# KiCad board BGA_Steuerung_4layer.kicad_pcb (continued)
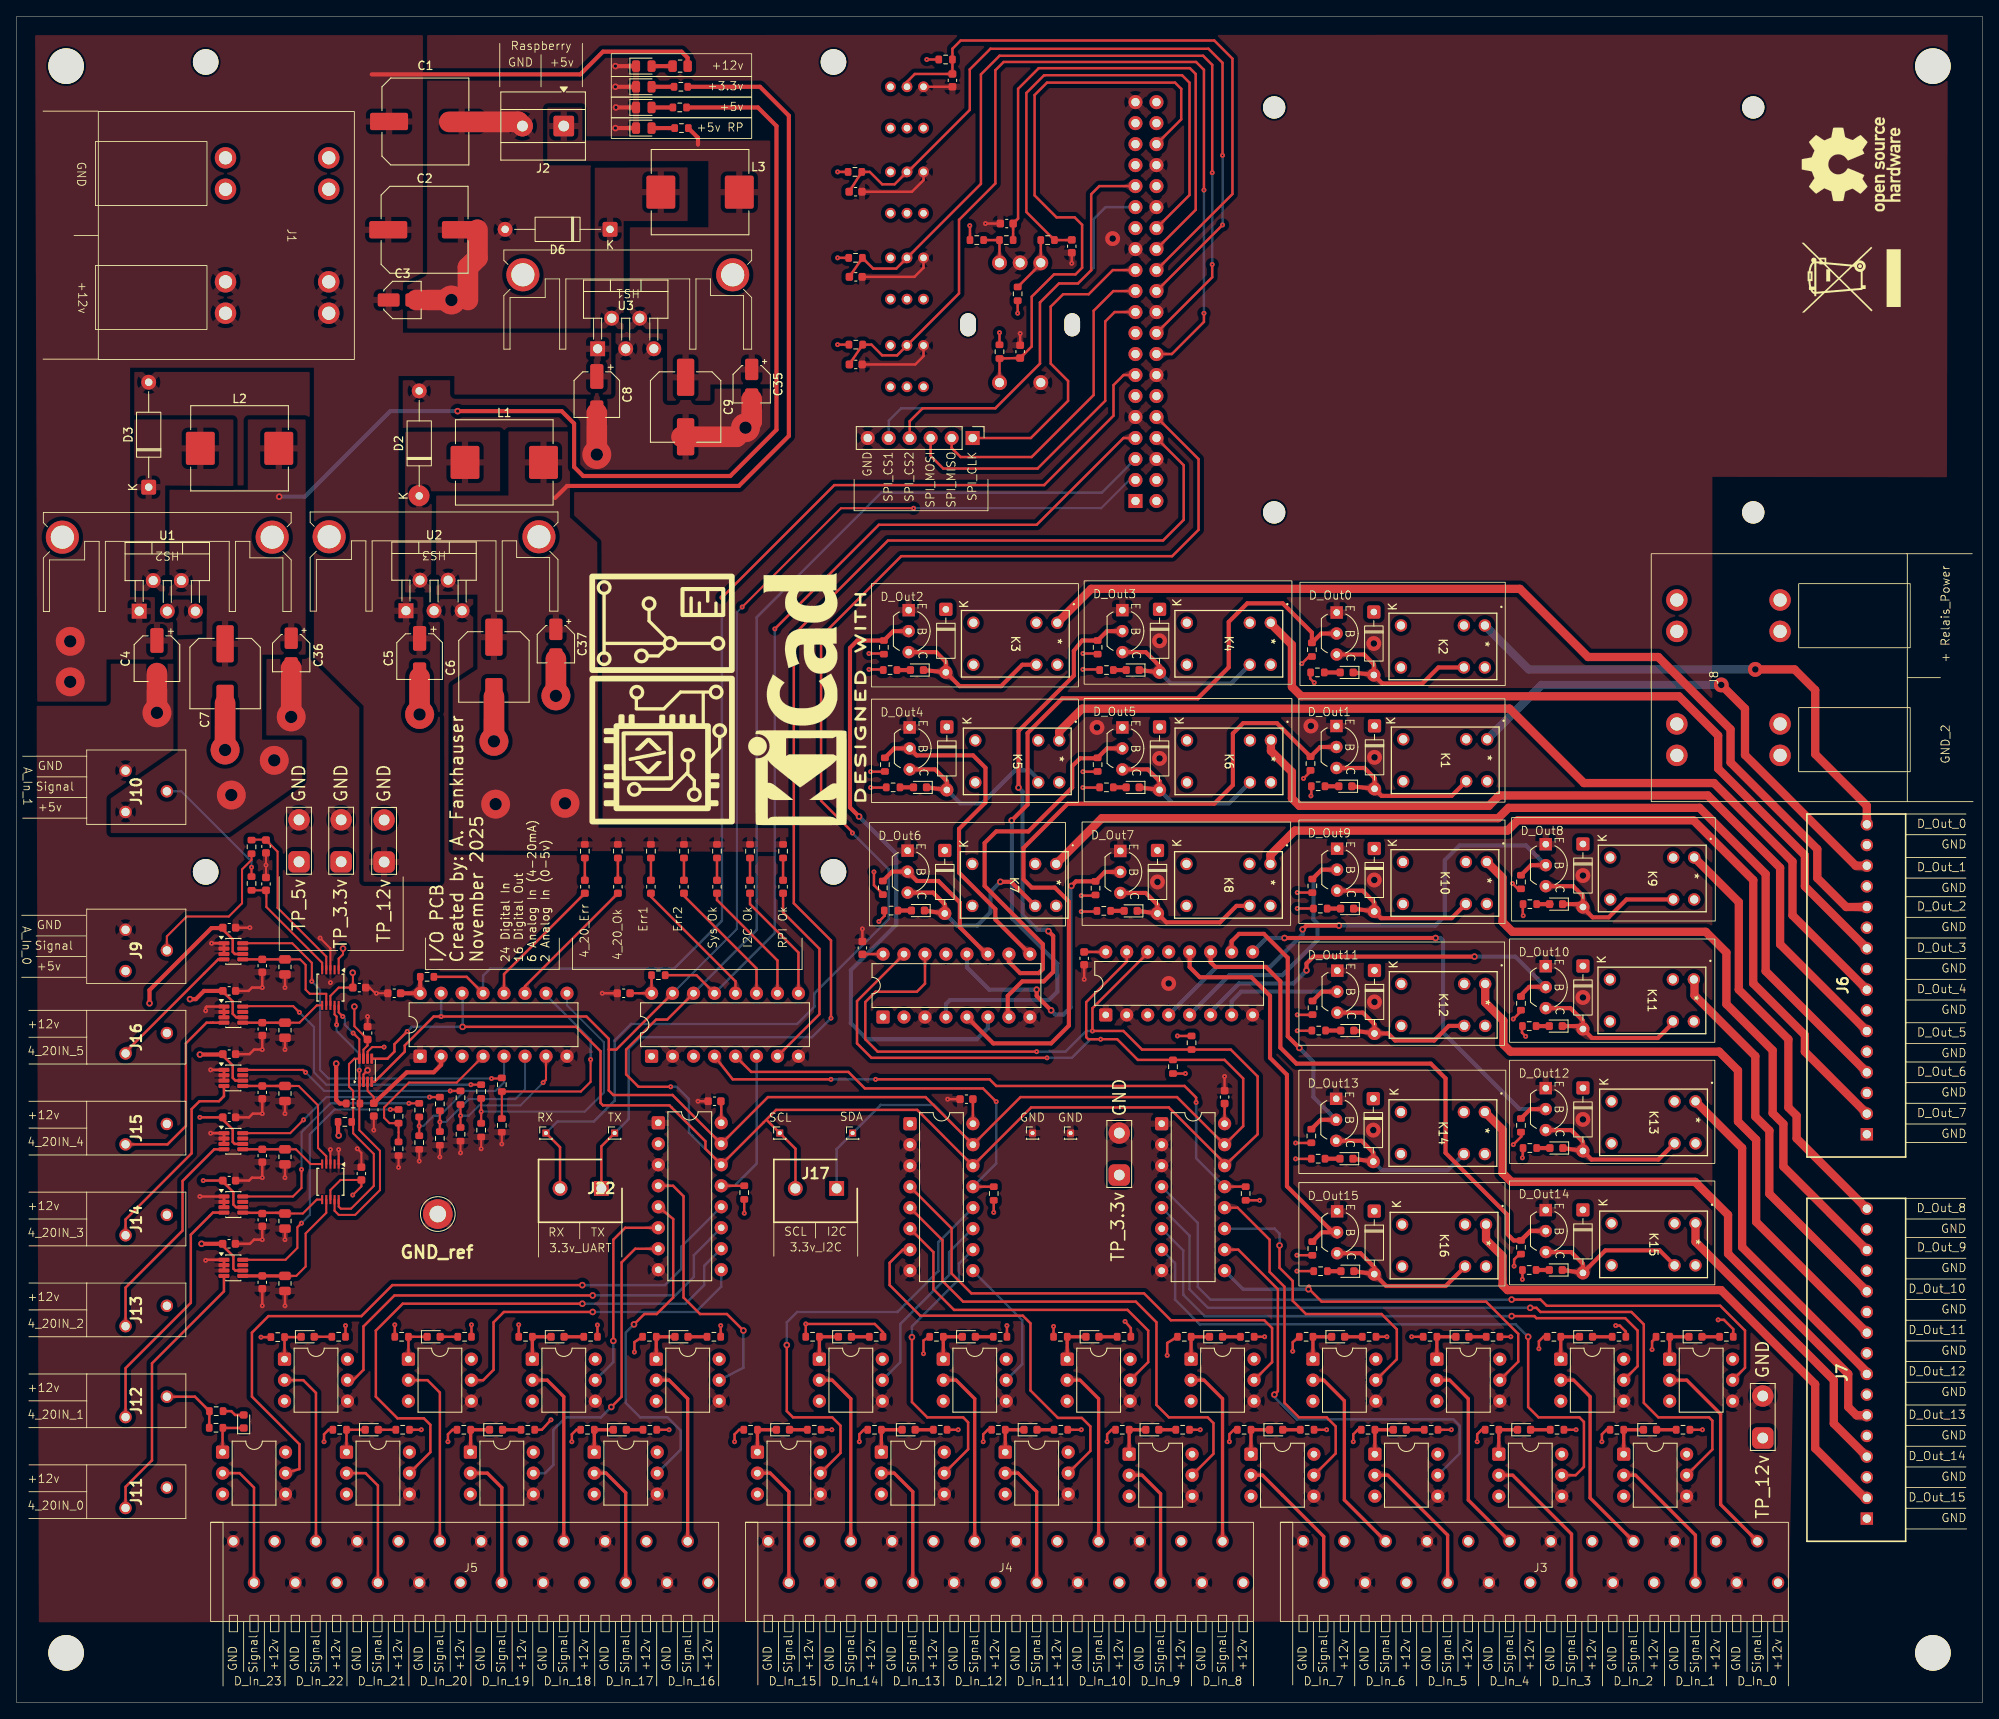
[diagram p0: board, top side]
## Placement (name value [footprint] x y rotation side) (continued)
RP  RP  [RP_PI_4B]  191.25 168.5 90 bottom
SW1  PEC11R-4220K-S0024  [PEC11R]  121.5 166.7 0 bottom
SW2  -  [TL2230OAF140]  105.8 164.2 0 bottom
SW3  -  [TL2230OAF140]  105.8 174.8 0 bottom
SW4  -  [TL2230OAF140]  105.8 185.2 0 bottom
SW5  -  [TL2230OAF140]  105.8 195.5 0 bottom
U1  LM2596T-5  [TO-220-5_P3.4x3.7mm_StaggerOdd_Lead3.8mm_Vertical]  14.85 132.05 0 top
U2  LM2596T-3.3  [TO-220-5_P3.4x3.7mm_StaggerOdd_Lead3.8mm_Vertical]  47.15 132.1 0 top
U3  LM2596T-5  [TO-220-5_P3.4x3.7mm_StaggerOdd_Lead3.8mm_Vertical]  70.35 163.8 0 top
U4  Raspberry_Pi_4b_GPIO_Header  [PinHeader_2x20_P2.54mm_Vertical]  135.46 145.38 0 bottom
U5  ~  [DIP-16_W7.62mm]  138.63 70.03 0 top
U6  4N35  [DIP-6_W7.62mm]  194.56 30.04 0 top
U7  4N35  [DIP-6_W7.62mm]  186.94 41.54 0 top
U8  4N35  [DIP-6_W7.62mm]  179.44 30.04 0 top
U9  4N35  [DIP-6_W7.62mm]  200.13 41.54 0 top
U10  4N35  [DIP-6_W7.62mm]  171.94 41.54 0 top
U11  4N35  [DIP-6_W7.62mm]  164.44 30.04 0 top
U12  4N35  [DIP-6_W7.62mm]  156.94 41.54 0 top
U13  4N35  [DIP-6_W7.62mm]  149.44 30.04 0 top
U14  4N35  [DIP-6_W7.62mm]  142.19 41.54 0 top
U15  4N35  [DIP-6_W7.62mm]  134.69 30.04 0 top
U16  4N35  [DIP-6_W7.62mm]  127.19 41.54 0 top
U17  4N35  [DIP-6_W7.62mm]  119.69 30.29 0 top
U18  4N35  [DIP-6_W7.62mm]  112.19 41.54 0 top
U19  4N35  [DIP-6_W7.62mm]  104.69 30.29 0 top
U20  4N35  [DIP-6_W7.62mm]  97.19 41.54 0 top
U21  4N35  [DIP-6_W7.62mm]  89.69 30.29 0 top
U22  ~  [DIP-16_W7.62mm]  108.16 70.03 0 top
U23  4N35  [DIP-6_W7.62mm]  77.44 41.54 0 top
U24  4N35  [DIP-6_W7.62mm]  69.94 30.29 0 top
U25  4N35  [DIP-6_W7.62mm]  62.44 41.54 0 top
U26  4N35  [DIP-6_W7.62mm]  54.94 30.29 0 top
U27  4N35  [DIP-6_W7.62mm]  47.44 41.54 0 top
U28  4N35  [DIP-6_W7.62mm]  39.94 30.29 0 top
U29  4N35  [DIP-6_W7.62mm]  32.44 41.54 0 top
U30  4N35  [DIP-6_W7.62mm]  24.95 30.29 0 top
U31  ~  [DIP-16_W7.62mm]  77.69 70.14 0 top
U32  ~  [DIP-16_W7.62mm]  104.9 82.94 90 top
U33  ~  [DIP-16_W7.62mm]  131.86 83.19 90 top
U34  ~  [DIP-16_W7.62mm]  76.88 78.19 90 top
U35  TCA9406DCUR  [VSSOP-8_2.3x2mm_P0.5mm]  42.25 76.5 90 top
U36  ADS1115IDGSR  [TSSOP-10_3x3mm_P0.5mm]  38 63 270 top
U37  ADS1115IDGSR  [TSSOP-10_3x3mm_P0.5mm]  38 86.5 270 top
U38  TPS26610  [SOT-23-8]  26.25 52.59 0 top
U39  TPS26610  [SOT-23-8]  26.25 60.25 0 top
U40  TPS26610  [SOT-23-8]  26.25 67.91 0 top
U41  TPS26610  [SOT-23-8]  26.25 75.57 0 top
U42  TPS26610  [SOT-23-8]  26.25 83.23 0 top
U43  TPS26610  [SOT-23-8]  26.25 90.89 0 top
U44  ~  [DIP-16_W7.62mm]  48.86 78.19 90 top

## Library data of the parts
C1 C2 = -: Datasheet: https://jlcpcb.com/api/file/downloadByFileSystemAccessId/8588936374414692352; Description: -55℃~+105℃ 10.2mm 10mm 2000hrs@105℃ 25V 470uF ±20% SMD,D10xL10.2mm Aluminum Electrolytic Capacitors - SMD ROHS; JLCPCB PN: C3351; LCSC PN: C3351; ki_fp_filters: CP_*
C3 = -: Datasheet: https://jlcpcb.com/api/file/downloadByFileSystemAccessId/8588893833787035648; Description: -55℃~+105℃ 10uF 2000hrs@105℃ 25V 4mm 5.4mm ±20% SMD,D4xL5.4mm Aluminum Electrolytic Capacitors - SMD ROHS; JLCPCB PN: C3343; LCSC PN: C3343; ki_fp_filters: CP_*
C4 = -: Datasheet: https://jlcpcb.com/api/file/downloadByFileSystemAccessId/8588934353934299136; Description: -55℃~+105℃ 16V 2000hrs@105℃ 47uF 5.4mm 5mm ±20% SMD,D5xL5.4mm Aluminum Electrolytic Capacitors - SMD ROHS; LCSC PN: C3337
C5 C8 = -: Datasheet: https://jlcpcb.com/api/file/downloadByFileSystemAccessId/8588934353934299136; Description: -55℃~+105℃ 16V 2000hrs@105℃ 47uF 5.4mm 5mm ±20% SMD,D5xL5.4mm Aluminum Electrolytic Capacitors - SMD ROHS; LCSC PN: C3337; ki_fp_filters: CP_*
C6 C9 = -: Datasheet: https://jlcpcb.com/api/file/downloadByFileSystemAccessId/8588936124525502464; Description: -55℃~+105℃ 10.2mm 2000hrs@105℃ 220uF 35V 8mm ±20% SMD,D8xL10.2mm Aluminum Electrolytic Capacitors - SMD ROHS; LCSC PN: C3340; ki_fp_filters: CP_*
C7 = -: Datasheet: https://jlcpcb.com/api/file/downloadByFileSystemAccessId/8588936124525502464; Description: -55℃~+105℃ 10.2mm 2000hrs@105℃ 220uF 35V 8mm ±20% SMD,D8xL10.2mm Aluminum Electrolytic Capacitors - SMD ROHS; LCSC PN: C3340
C10 C12-C14 C16-C34 = -: Datasheet: https://jlcpcb.com/api/file/downloadByFileSystemAccessId/8586178021733126144; Description: 100nF 25V X7R ±10% 0603 Multilayer Ceramic Capacitors MLCC - SMD/SMT ROHS; LCSC PN: C1590; ki_fp_filters: C_*
C11 C15 = -: Datasheet: https://jlcpcb.com/api/file/downloadByFileSystemAccessId/8586178021733126144; Description: 100nF 25V X7R ±10% 0603 Multilayer Ceramic Capacitors MLCC - SMD/SMT ROHS; LCSC PN: C1590
C35 C37 = -: Datasheet: https://jlcpcb.com/api/file/downloadByFileSystemAccessId/8588903172689563648; Description: -40℃~+105℃ 1000hrs@105℃ 100nF 4mm 5.4mm 50V ±20% SMD,D4xL5.4mm Aluminum Electrolytic Capacitors - SMD ROHS; LCSC PN: C271438; ki_fp_filters: CP_*
C36 = -: Datasheet: https://jlcpcb.com/api/file/downloadByFileSystemAccessId/8588903172689563648; Description: -40℃~+105℃ 1000hrs@105℃ 100nF 4mm 5.4mm 50V ±20% SMD,D4xL5.4mm Aluminum Electrolytic Capacitors - SMD ROHS; LCSC PN: C271438
C38 C44 = -: Datasheet: https://jlcpcb.com/api/file/downloadByFileSystemAccessId/8588906689542569984; Description: 220nF 25V X7R ±10% 0603 Multilayer Ceramic Capacitors MLCC - SMD/SMT ROHS; LCSC PN: C1606; ki_fp_filters: C_*
C39 C40 = -: Datasheet: https://jlcpcb.com/api/file/downloadByFileSystemAccessId/8586178020515831808; Description: 10nF 50V X7R ±10% 0603 Multilayer Ceramic Capacitors MLCC - SMD/SMT ROHS; LCSC PN: C1589; ki_fp_filters: C_*
C41-C43 = -: Datasheet: https://jlcpcb.com/api/file/downloadByFileSystemAccessId/8588906689542569984; Description: 220nF 25V X7R ±10% 0603 Multilayer Ceramic Capacitors MLCC - SMD/SMT ROHS; LCSC PN: C1606
D1 = -: Datasheet: https://jlcpcb.com/api/file/downloadByFileSystemAccessId/8586177284785524736; Description: Light emitting diode; Sim.Pins: 1=K 2=A; JLCPCB PN: C84260; LCSC PN: C84260; ki_fp_filters: LED* LED_SMD:* LED_THT:*
D2 D6 = -: Datasheet: https://jlcpcb.com/api/file/downloadByFileSystemAccessId/8589952025082695680; Description: -65℃~+150℃ 150A 30V 500uA@30V 550mV@5A 5A DO-201AD Schottky Diodes ROHS; LCSC PN: C508482; ki_fp_filters: TO-???* *_Diode_* *SingleDiode* D_*
D3 = -: Datasheet: https://jlcpcb.com/api/file/downloadByFileSystemAccessId/8589952025082695680; Description: -65℃~+150℃ 150A 30V 500uA@30V 550mV@5A 5A DO-201AD Schottky Diodes ROHS; LCSC PN: C508482
D4 = -: Datasheet: https://jlcpcb.com/api/file/downloadByFileSystemAccessId/8586177284785524736; Description: Light emitting diode; Sim.Pins: 1=K 2=A; LCSC PN: C84260
D5 D7 = -: Datasheet: https://jlcpcb.com/api/file/downloadByFileSystemAccessId/8586177284785524736; Description: Light emitting diode; Sim.Pins: 1=K 2=A; LCSC PN: C84260; ki_fp_filters: LED* LED_SMD:* LED_THT:*
D8-D31 D55-D70 = -: Datasheet: https://jlcpcb.com/api/file/downloadByFileSystemAccessId/8550723991833485312; Description: -40℃~+85℃ 120° 2.4V 20mA 300mcd 40mW 615nm~630nm 645nm Red Water Clear 0603 LED Indication - Discrete ROHS; Sim.Pins: 1=K 2=A; LCSC PN: KT-0603R; ki_fp_filters: LED* LED_SMD:* LED_THT:*
D32-D47 = -: Datasheet: https://www.smc-diodes.com/propdf/1N4148%20N0230%20REV.A.pdf; Description: 100V 0.15A standard switching diode, DO-35; Sim.Device: D; Sim.Pins: 1=K 2=A; DigiKey_PN: 1655-1N4148CT-ND; ki_fp_filters: D*DO?35*
D48-D50 = -: Datasheet: https://jlcpcb.com/api/file/downloadByFileSystemAccessId/8588881954855407616; Description: -30℃~+80℃ 120° 2.8V 500mcd 526nm~532nm 5mA 70mW Green Water Clear 0603 LED Indication - Discrete ROHS; Sim.Pins: 1=K 2=A; LCSC PN: C118334
D51 D52 = -: Datasheet: https://jlcpcb.com/api/file/downloadByFileSystemAccessId/8550723991833485312; Description: -30℃~+80℃ 120° 2.8V 500mcd 526nm~532nm 5mA 70mW Green Water Clear 0603 LED Indication - Discrete ROHS; Sim.Pins: 1=K 2=A; LCSC PN: C2286
D53 = -: Datasheet: https://jlcpcb.com/api/file/downloadByFileSystemAccessId/8588881954855407616; Description: -30℃~+80℃ 120° 2.8V 500mcd 526nm~532nm 5mA 70mW Green Water Clear 0603 LED Indication - Discrete ROHS; Sim.Pins: 1=K 2=A; LCSC PN: C118334; ki_fp_filters: LED* LED_SMD:* LED_THT:*
D54 = -: Datasheet: https://jlcpcb.com/api/file/downloadByFileSystemAccessId/8550723991833485312; Description: -30℃~+80℃ 120° 2.8V 500mcd 526nm~532nm 5mA 70mW Green Water Clear 0603 LED Indication - Discrete ROHS; Sim.Pins: 1=K 2=A; LCSC PN: C2286; ki_fp_filters: LED* LED_SMD:* LED_THT:*
HS1 HS3 = -: Datasheet: https://www.assmann-wsw.com/uploads/datasheets/ASS_0595_HS.pdf; Description: HEATSINK ALUM ANOD; DigiKey_PN: AE10901-ND; ki_fp_filters: Heatsink_*
HS2 = -: Datasheet: https://www.assmann-wsw.com/uploads/datasheets/ASS_0595_HS.pdf; Description: HEATSINK ALUM ANOD; DigiKey_PN: AE10901-ND
J1 J8 = -: Datasheet: https://mm.digikey.com/Volume0/opasdata/d220001/medias/docus/641/1932588.pdf; Description: TERM BLK 2P SIDE ENTRY 15MM PCB; DigiKey_PN: 277-6402-ND; ki_fp_filters: TerminalBlock*:*
J2 = -: Description: Generic screw terminal, single row, 01x02, script generated (kicad-library-utils/schlib/autogen/connector/); ki_fp_filters: TerminalBlock*:*
J3 J5 = -: Datasheet: https://www.phoenixcontact.com/en-us/products/printed-circuit-board-terminal-ptsa-0524-25-z-1990232?type=pdf; Description: Generic connector, single row, 01x24, script generated; ki_fp_filters: Connector*:*_1x??_*
J4 = -: Datasheet: https://www.phoenixcontact.com/en-us/products/printed-circuit-board-terminal-ptsa-0524-25-z-1990232?type=pdf; Description: Generic connector, single row, 01x24, script generated; DigiKey_PN: 732-2034-ND; ki_fp_filters: Connector*:*_1x??_*
J6 J7 = -: Datasheet: https://mm.digikey.com/Volume0/opasdata/d220001/medias/docus/2515/COMBICON%20Spring-Cage%20PCB%20Term.%20Blocks.pdf; Description: Generic connector, single row, 01x16, script generated; DigiKey_PN: 277-9150-ND; ki_fp_filters: Connector*:*_1x??_*
J9 J10 = -: Datasheet: https://mm.digikey.com/Volume0/opasdata/d220001/medias/docus/2515/COMBICON%20Spring-Cage%20PCB%20Term.%20Blocks.pdf; Description: Generic connector, single row, 01x03, script generated; DigiKey_PN: 277-1795-ND; ki_fp_filters: Connector*:*_1x??_*
J11-J16 = -: Datasheet: https://mm.digikey.com/Volume0/opasdata/d220001/medias/docus/2515/COMBICON%20Spring-Cage%20PCB%20Term.%20Blocks.pdf; Description: Generic connector, single row, 01x02, script generated; DigiKey_PN: 277-1794-ND; ki_fp_filters: Connector*:*_1x??_*
J17 = -: Datasheet: https://www.we-online.com/components/products/datasheet/691137710002.pdf; Description: TERM BLK 2POS SIDE ENTRY 5MM PCB; DigiKey_PN: 732-10955-ND
J18-J21 J23 J24 = -: Description: Generic connector, single row, 01x01, script generated; ki_fp_filters: Connector*:*_1x??_*
J22 = -: Datasheet: https://www.we-online.com/components/products/datasheet/691137710002.pdf; Description: TERM BLK 2POS SIDE ENTRY 5MM PCB; DigiKey_PN: 732-10955-ND; ki_fp_filters: TerminalBlock*:*
J25 = -: Description: Generic connector, single row, 01x06, script generated; ki_fp_filters: Connector*:*_1x??_*
K1-K16 = -: Datasheet: https://www.azettler.com/pdfs/az9571.pdf; ki_fp_filters: RELAY6_AZ9571-1C-12DSE_AMZ
L1 L3 = -: Datasheet: https://jlcpcb.com/api/file/downloadByFileSystemAccessId/8590903666641883136; Description: 33uH 4.5A 4A 85mΩ ±20% SMD,11.6x10.1mm Inductors (SMD) ROHS; LCSC PN: C6364680; ki_fp_filters: Choke_* *Coil* Inductor_* L_*
L2 = -: Datasheet: https://jlcpcb.com/api/file/downloadByFileSystemAccessId/8590903666641883136; Description: 33uH 4.5A 4A 85mΩ ±20% SMD,11.6x10.1mm Inductors (SMD) ROHS; LCSC PN: C6364680
Q1-Q16 = -: Datasheet: https://www.onsemi.com/pdf/datasheet/mmbt4401-d.pdf; Description: NPN transistor, emitter/base/collector
R1 = -: Datasheet: https://jlcpcb.com/api/file/downloadByFileSystemAccessId/8588918766691999744; Description: -55℃~+155℃ 125mW 150V 500Ω Thin Film Resistor ±1% ±25ppm/℃ 0805 Chip Resistor - Surface Mount ROHS; JLCPCB PN: C2828857; LCSC PN: C2828857; ki_fp_filters: R_*
R2 = -: Datasheet: https://jlcpcb.com/api/file/downloadByFileSystemAccessId/8579706128193802240; Description: -55℃~+155℃ 100mW 150Ω 75V Thick Film Resistor ±1% ±100ppm/℃ 0603 Chip Resistor - Surface Mount ROHS; LCSC PN: C22808
R3 = -: Datasheet: https://jlcpcb.com/api/file/downloadByFileSystemAccessId/8579706081771380736; Description: -55℃~+155℃ 100mW 75V 75Ω Thick Film Resistor ±1% ±100ppm/℃ 0603 Chip Resistor - Surface Mount ROHS; LCSC PN: C4275; ki_fp_filters: R_*
R4 = -: Datasheet: https://jlcpcb.com/api/file/downloadByFileSystemAccessId/8579706128193802240; Description: -55℃~+155℃ 100mW 150Ω 75V Thick Film Resistor ±1% ±100ppm/℃ 0603 Chip Resistor - Surface Mount ROHS; LCSC PN: C22808; ki_fp_filters: R_*
R5 R6 R77 R78 R80 R83 R89 R93 R95 R97 = -: Datasheet: https://jlcpcb.com/api/file/downloadByFileSystemAccessId/8579706251506339840; Description: -55℃~+155℃ 100mW 4.7kΩ 75V Thick Film Resistor ±1% ±100ppm/℃ 0603 Chip Resistor - Surface Mount ROHS; LCSC PN: C23162; ki_fp_filters: R_*
R7 R9 R11 R13 R15 R17 R19 R21 R23-R28 R35 R36 R39-R44 R51 R52 R101-R116 = -: Datasheet: https://jlcpcb.com/api/file/downloadByFileSystemAccessId/8579706285526474752; Description: -40℃~+85℃ 120° 2.4V 20mA 300mcd 40mW 615nm~630nm 645nm Red Water Clear 0603 LED Indication - Discrete ROHS; LCSC PN: C23193; ki_fp_filters: R_*
R8 R10 R12 R14 R16 R18 R20 R22 R29-R34 R37 R38 R45-R50 R53 R54 R85 R86 = -: Datasheet: https://jlcpcb.com/api/file/downloadByFileSystemAccessId/8588894527021465601; Description: -55℃~+155℃ 100mW 1kΩ 75V Thick Film Resistor ±100ppm/℃ ±5% 0603 Chip Resistor - Surface Mount ROHS; LCSC PN: C14676; ki_fp_filters: R_*
R55-R70 = -: Datasheet: https://jlcpcb.com/api/file/downloadByFileSystemAccessId/8579706189568917504; Description: -55℃~+155℃ 100mW 2kΩ 75V Thick Film Resistor ±1% ±100ppm/℃ 0603 Chip Resistor - Surface Mount ROHS; LCSC PN: C22975; ki_fp_filters: R_*
R71-R75 = -: Datasheet: https://jlcpcb.com/api/file/downloadByFileSystemAccessId/8579706087299203072; Description: -55℃~+155℃ 100mW 200Ω 75V Thick Film Resistor ±1% ±100ppm/℃ 0603 Chip Resistor - Surface Mount ROHS; LCSC PN: C8218
R79 R82 R84 R88 R90 R92 = -: Datasheet: https://jlcpcb.com/api/file/downloadByFileSystemAccessId/8588903251990863872; Description: -55℃~+155℃ 125mW 150V 250Ω Thin Film Resistor ±0.5% ±25ppm/℃ 0805 Chip Resistor - Surface Mount ROHS; LCSC PN: C2828827; ki_fp_filters: R_*
R81 R87 R91 R94 R96 R98 = -: Datasheet: https://jlcpcb.com/api/file/downloadByFileSystemAccessId/8579706147000926208; Description: -55℃~+155℃ 1.8kΩ 100mW 75V Thick Film Resistor ±1% ±100ppm/℃ 0603 Chip Resistor - Surface Mount ROHS; LCSC PN: C4177; ki_fp_filters: R_*
R99 R100 = -: Datasheet: https://jlcpcb.com/api/file/downloadByFileSystemAccessId/8579706087299203072; Description: -55℃~+155℃ 100mW 200Ω 75V Thick Film Resistor ±1% ±100ppm/℃ 0603 Chip Resistor - Surface Mount ROHS; LCSC PN: C8218; ki_fp_filters: R_*
R117 R123-R125 = -: Datasheet: https://jlcpcb.com/api/file/downloadByFileSystemAccessId/8588882000258748416; Description: -55℃~+155℃ 100mW 10kΩ 75V Thick Film Resistor ±100ppm/℃ ±5% 0603 Chip Resistor - Surface Mount ROHS; LCSC PN: C15401
R118-R122 R126-R130 = -: Datasheet: https://jlcpcb.com/api/file/downloadByFileSystemAccessId/8588882000258748416; Description: -55℃~+155℃ 100mW 10kΩ 75V Thick Film Resistor ±100ppm/℃ ±5% 0603 Chip Resistor - Surface Mount ROHS; LCSC PN: C15401; ki_fp_filters: R_*
SW1 = -: Datasheet: https://www.bourns.com/docs/Product-Datasheets/PEC11R.pdf; Description: Rotary encoder, dual channel, incremental quadrate outputs, with switch; DigiKey_PN: PEC11R-4220K-S0024-ND; ki_fp_filters: RotaryEncoder*Switch*
SW2-SW5 = -: Datasheet: https://www.bourns.com/docs/Product-Datasheets/PEC11R.pdf; Description: Switch, dual pole double throw, separate symbols; DigiKey_PN: EG6032-ND; ki_fp_filters: SW*DPDT*
U1 = -: Datasheet: https://www.ti.com/lit/ds/symlink/lm2596.pdf?HQS=dis-dk-null-digikeymode-dsf-pf-null-wwe&ts=1761395776174; Description: 5V 3A 150kHz Step-Down Voltage Regulator, TO-220; DigiKey_PN: LM2596T-5.0/NOPB-ND
U2 = -: Datasheet: https://www.ti.com/lit/ds/symlink/lm2596.pdf?HQS=dis-dk-null-digikeymode-dsf-pf-null-wwe&ts=1761395776174; Description: 3.3V 3A 150kHz Step-Down Voltage Regulator, TO-220; DigiKey_PN: LM2596T-3.3/LF03-ND; ki_fp_filters: TO?220*
U3 = -: Datasheet: https://www.ti.com/lit/ds/symlink/lm2596.pdf?HQS=dis-dk-null-digikeymode-dsf-pf-null-wwe&ts=1761395776174; Description: 5V 3A 150kHz Step-Down Voltage Regulator, TO-220; DigiKey_PN: LM2596T-5.0/NOPB-ND; ki_fp_filters: TO?220*
U4 = -: Datasheet: https://jlcpcb.com/api/file/downloadByFileSystemAccessId/8590416769162129408; Description: -65℃~+125℃ 2 2.54mm 2.54mm 2.54mm 3A 40P 5.9mm Black Phosphor Bronze Pin Header Surface Mount,Vertical Tin SMD,P=2.54mm Pin Headers ROHS; LCSC PN: C3326996
U5 U22 U31-U34 U44 = -: Datasheet: https://www.ti.com/lit/ds/symlink/pcf8574.pdf?ts=1728822589974&ref_url=https%253A%252F%252Fwww.ti.com%252Fproduct%252FPCF8574%253Futm_source%253Dgoogle%2526utm_medium%253Dcpc%2526utm_campaign%253Dti-null-null-xref-cpc-pf-google-wwe%2526utm_content%253Dxref%2526ds_k%253D%257B_dssearchterm%257D%2526DCM%253Dyes%2526gad_source%253D1%2526gclid%253DEAIaIQobChMI6f2G9a2LiQMVKp2DBx3rOwzlEAAYASAAEgIEUPD_BwE%2526gclsrc%253Daw.ds; Description: 8 Port IO expander I2C-Interface
U6-U21 U23-U30 = -: Datasheet: https://jlcpcb.com/api/file/downloadByFileSystemAccessId/8586194772046860288; Description: -55℃~+100℃ 1 1.2V 100% 100mA 3.55kV 300mV@2mA,50mA 30V 3us 3us 60mA 6V DC Phototransistor SMD-6P Transistor, Photovoltaic Output Optoisolators ROHS; ki_fp_filters: DIP*W7.62mm*
U35 = -: Datasheet: https://www.ti.com/lit/ds/symlink/tca9406.pdf?ts=1762798241229&ref_url=https%253A%252F%252Fwww.ti.com%252Fproduct%252Fde-de%252FTCA9406; Description: 2-Bit Bidirectional 1-MHz, I2C Bus and SMBus Voltage-Level Translator With 8-kV HBM ESD; LCSC PN: C840107; ki_fp_filters: SSOP*2.95x2.8mm*P0.65mm* VSSOP*2.3x2mm*P0.5mm*
U36 U37 = -: Datasheet: http://www.ti.com/lit/ds/symlink/ads1113.pdf; Description: -40℃~+125℃ 16 16Hz 1LSB 2 2.048V 2V~5.5V 500nA Built-In Built-In I2C Sigma-Delta Support Yes VSSOP-10 Analog to Digital Converters (ADC) ROHS; LCSC PN: C37593; ki_fp_filters: TSSOP*3x3mm*P0.5mm*
U38-U43 = -: Datasheet: https://www.ti.com/lit/ds/symlink/tps2661.pdf; Description: Universal 4–20 mA Current Loop Protector; Connect -Vcc to GND if device is used in single supply config; SGOOD is High when fault

## Footprints (pads in the part's own frame, mm; a bottom-side part is the same pattern mirrored in y, then rotated)
4.3_Display
  round 8 hole 3.1 unplated: (-49,-38) (-49,38) (49,-38) (49,38)
1989887
  rect 1.5x1.5 hole 1: 1(0,0)
  round 1.5 hole 1: 2(2.5,0) 3(5,0) 4(7.5,0) 5(10,0) 6(12.5,0) 7(15,0) 8(17.5,0) 9(20,0) 10(22.5,0) 11(25,0) 12(27.5,0) 13(30,0) 14(32.5,0) 15(35,0) 16(37.5,0)
1990009
  round 1.5 hole 1: 1(1.22,-7.3) 2(-1.25,-2.3)
1990012
  round 1.5 hole 1: 1(-2.5,-1.3) 2(0,3.7) 3(2.5,-1.3)
691137710002
  rect 1.8x1.8 hole 1.2: 1(0,0)
  round 1.8 hole 1.2: 2(5,0)
C_0603_1608Metric
  rrect 0.9x0.95 smd: 1(-0.775,0) 2(0.775,0)
C_Elec_4x5.4
  rrect 2.65x1.6 smd: 1(-1.675,0) 2(1.675,0)
C_Elec_8x10.2
  rrect 4.5x2.1 smd: 1(-3.6,0) 2(3.6,0)
C_Elec_10x10.2
  rrect 4.6x2.1 smd: 1(-4.4,0) 2(4.4,0)
Connector PTSA 24Pos Pitch=2.5mm
  round 1.5 hole 1: 1(-28,3.7) 2(-25.5,-1.3) 3(-23,3.7) 4(-20.5,-1.3) 5(-18,3.7) 6(-15.5,-1.3) 7(-13,3.7) 8(-10.5,-1.3) 9(-8,3.7) 10(-5.5,-1.3) 11(-3,3.7) 12(-0.5,-1.3) 13(2,3.7) 14(4.5,-1.3) 15(7,3.7) 16(9.5,-1.3) 17(12,3.7) 18(14.5,-1.3) 19(17,3.7) 20(19.5,-1.3) 21(22,3.7) 22(24.5,-1.3) 23(27,3.7) 24(29.5,-1.3)
CP_Elec_4x5.4
  rrect 2.6x1.6 smd: 1(-1.8,0) 2(1.8,0)
CP_Elec_5x5.4
  rrect 3x1.6 smd: 1(-2.2,0) 2(2.2,0)
D_0603_1608Metric
  rrect 0.875x0.95 smd: 1(-0.787,0) 2(0.787,0)
D_A-405_P12.70mm_Horizontal
  rrect 1.8x1.8 hole 0.9: 1(0,0)
  round 1.8 hole 0.9: 2(12.7,0)
D_DO-35_SOD27_P7.62mm_Horizontal
  rrect 1.6x1.6 hole 0.8: 1(0,0)
  round 1.6 hole 0.8: 2(7.62,0)
DIP-6_W7.62mm
  rrect 1.6x1.6 hole 0.8: 1(0,0)
  round 1.6 hole 0.8: 2(0,-2.54) 3(0,-5.08) 4(7.62,-5.08) 5(7.62,-2.54) 6(7.62,0)
DIP-16_W7.62mm
  rrect 1.6x1.6 hole 0.8: 1(0,0)
  round 1.6 hole 0.8: 2(0,-2.54) 3(0,-5.08) 4(0,-7.62) 5(0,-10.16) 6(0,-12.7) 7(0,-15.24) 8(0,-17.78) 9(7.62,-17.78) 10(7.62,-15.24) 11(7.62,-12.7) 12(7.62,-10.16) 13(7.62,-7.62) 14(7.62,-5.08) 15(7.62,-2.54) 16(7.62,0)
Heatsink_TO-220_V6560W
  round 4 hole 2.8 unplated: (-12.7,0) (12.7,0)
L_0603_1608Metric
  rrect 0.875x0.95 smd: 1(-0.787,0) 2(0.787,0)
L_Chilisin_BMRF00101040
  rrect 3.5x4 smd: 1(-4.75,0) 2(4.75,0)
LED_0805_2012Metric
  rrect 0.975x1.4 smd: 1(-0.938,0) 2(0.938,0)
MountingHole_4.3mm_M4_DIN965
  round 4.3 hole 4.3 unplated: (0,0)
PCB_terminal_block_1932588
  round 2.6 hole 1.6: 1(-9.4,5.75) 1(-9.4,-6.75) 1(-5.6,5.75) 1(-5.6,-6.75) 2(5.6,5.75) 2(5.6,-6.75) 2(9.4,5.75) 2(9.4,-6.75)
PEC11R
  rrect 2x2.9 hole 1.9x2.8 unplated: (-6.3,0) (6.3,0)
  round 1.8 hole 1.1: A(-2.5,-7.5) B(2.5,-7.5) C(0,-7.5) S1(-2.5,7) S2(2.5,7)
PinHeader_1x01_P1.00mm_Vertical
  rect 0.85x0.85 hole 0.5: 1(0,0)
PinHeader_1x06_P2.54mm_Vertical
  rect 1.7x1.7 hole 1: 1(0,0)
  round 1.7 hole 1: 2(0,-2.54) 3(0,-5.08) 4(0,-7.62) 5(0,-10.16) 6(0,-12.7)
PinHeader_2x20_P2.54mm_Vertical
  rect 1.7x1.7 hole 1: 1(0,0)
  round 1.7 hole 1: 2(2.54,0) 3(0,-2.54) 4(2.54,-2.54) 5(0,-5.08) 6(2.54,-5.08) 7(0,-7.62) 8(2.54,-7.62) 9(0,-10.16) 10(2.54,-10.16) 11(0,-12.7) 12(2.54,-12.7) 13(0,-15.24) 14(2.54,-15.24) 15(0,-17.78) 16(2.54,-17.78) 17(0,-20.32) 18(2.54,-20.32) 19(0,-22.86) 20(2.54,-22.86) 21(0,-25.4) 22(2.54,-25.4) 23(0,-27.94) 24(2.54,-27.94) 25(0,-30.48) 26(2.54,-30.48) 27(0,-33.02) 28(2.54,-33.02) 29(0,-35.56) 30(2.54,-35.56) 31(0,-38.1) 32(2.54,-38.1) 33(0,-40.64) 34(2.54,-40.64) 35(0,-43.18) 36(2.54,-43.18) 37(0,-45.72) 38(2.54,-45.72) 39(0,-48.26) 40(2.54,-48.26)
R_0603_1608Metric
  rrect 0.8x0.95 smd: 1(-0.825,0) 2(0.825,0)
R_0805_2012Metric
  rrect 1.025x1.4 smd: 1(-0.912,0) 2(0.912,0)
RELAY6_AZ9571-1C-12DSE_AMZ
  round 1.499 hole 0.991: 1(0,0) 2(0,-2.54) 3(0,-10.16) 4(5.08,-10.16) 5(5.08,-2.54) 6(5.08,0)
RP_PI_4B
  round 6 hole 2.7 unplated: (-24.5,-39) (-24.5,19) (24.5,-39) (24.5,19)
SOT-23-8
  rrect 1.325x0.5 smd: 1(-1.137,0.975) 2(-1.137,0.325) 3(-1.137,-0.325) 4(-1.137,-0.975) 5(1.137,-0.975) 6(1.137,-0.325) 7(1.137,0.325) 8(1.137,0.975)
TerminalBlock_MetzConnect_Type055_RT01502HDWU_1x02_P5.00mm_Horizontal
  rrect 2.5x2.5 hole 1.3: 1(0,0)
  round 2.5 hole 1.3: 2(5,0)
TestPoint_2Pads_Pitch5.08mm_Drill1.3mm
  rrect 2.6x2.6 hole 1.3: 1(0,0)
  round 2.6 hole 1.3: 2(5.08,0)
TestPoint_Loop_D3.80mm_Drill2.0mm
  round 3.6 hole 2: 1(0,0)
TL2230OAF140
  round 1.3 hole 0.8: 1(0,0) 2(2,0) 3(4,0) 4(0,5) 5(2,5) 6(4,5)
TO-92_Inline_Wide_EBC
  round 1.5 hole 0.8: 1(5.08,0) 2(2.54,0)
  rect 1.5x1.5 hole 0.8: 3(0,0)
TO-220-5_P3.4x3.7mm_StaggerOdd_Lead3.8mm_Vertical
  rect 1.8x1.8 hole 1.1: 1(0,0)
  round 1.8 hole 1.1: 2(1.7,3.7) 3(3.4,0) 4(5.1,3.7) 5(6.8,0)
TSSOP-10_3x3mm_P0.5mm
  rect 1.1x0.25 smd: 1(-2.15,1) 2(-2.15,0.5) 3(-2.15,0) 4(-2.15,-0.5) 5(-2.15,-1) 6(2.15,-1) 7(2.15,-0.5) 8(2.15,0) 9(2.15,0.5) 10(2.15,1)
VSSOP-8_2.3x2mm_P0.5mm
  rrect 1.25x0.35 smd: 1(-1.4,0.75) 2(-1.4,0.25) 3(-1.4,-0.25) 4(-1.4,-0.75) 5(1.4,-0.75) 6(1.4,-0.25) 7(1.4,0.25) 8(1.4,0.75)

## Nets
5V_Power1: C7.1 C17.2 C18.2 C19.2 C36.1 J9.3 J10.3 L2.2 R2.1 R77.2 R78.2 REF**#12.1 U1.4 U35.7 U36.8 U37.1 U37.8
12V_Power1: C1.1 C2.1 C3.1 C4.1 C5.1 C8.1 C23.2 C24.2 C26.2 C28.2 C30.2 C32.2 D32.1 D33.1 D34.1 D35.1 D36.1 D37.1 D38.1 D39.1 D40.1 D41.1 D42.1 D43.1 D44.1 D45.1 D46.1 D47.1 J1.2 J3.3 J3.6 J3.9 J3.12 J3.15 J3.18 J3.21 J3.24 J4.3 J4.6 J4.9 J4.12 J4.15 J4.18 J4.21 J4.24 J5.3 J5.6 J5.9 J5.12 J5.15 J5.18 J5.21 J5.24 J11.2 J12.2 J13.2 J14.2 J15.2 J16.2 K1.2 K2.2 K3.2 K4.2 K5.2 K6.2 K7.2 K8.2 K9.2 K10.2 K11.2 K12.2 K13.2 K14.2 K15.2 K16.2 R1.1 R7.1 R8.1 R9.1 R10.1 R11.1 R12.1 R13.1 R14.1 R15.1 R16.1 R17.1 R18.1 R19.1 R20.1 R21.1 R22.1 R23.1 R24.1 R25.1 R26.1 R27.1 R28.1 R29.1 R30.1 R31.1 R32.1 R33.1 R34.1 R35.1 R36.1 R37.1 R38.1 R39.1 R40.1 R41.1 R42.1 R43.1 R44.1 R45.1 R46.1 R47.1 R48.1 R49.1 R50.1 R51.1 R52.1 R53.1 R54.1 R55.1 R56.1 R57.1 R58.1 R59.1 R60.1 R61.1 R62.1 R63.1 R64.1 R65.1 R66.1 R67.1 R68.1 R69.1 R70.1 R101.1 R102.1 R103.1 R104.1 R105.1 R106.1 R107.1 R108.1 R109.1 R110.1 R111.1 R112.1 R113.1 R114.1 R115.1 R116.1 REF**#2.1 REF**#13.1 U1.1 U2.1 U3.1 U38.6 U39.6 U40.6 U41.6 U42.6 U43.6
GND: C1.2 C2.2 C3.2 C4.2 C5.2 C6.2 C7.2 C8.2 C9.2 C10.2 C11.2 C12.2 C13.2 C14.2 C15.2 C16.1 C17.1 C18.1 C19.1 C20.1 C21.1 C22.1 C23.1 C24.1 C25.1 C26.1 C27.1 C28.1 C29.1 C30.1 C31.1 C32.1 C33.1 C34.2 C35.2 C36.2 C37.2 C38.2 C39.1 C40.1 C41.2 C42.2 C43.2 C44.2 D1.1 D2.2 D3.2 D4.1 D5.1 D6.2 D7.1 J1.1 J2.2 J3.1 J3.4 J3.7 J3.10 J3.13 J3.16 J3.19 J3.22 J4.1 J4.4 J4.7 J4.10 J4.13 J4.16 J4.19 J4.22 J5.1 J5.4 J5.7 J5.10 J5.13 J5.16 J5.19 J5.22 J9.1 J10.1 J20.1 J21.1 J25.6 Q1.3 Q2.3 Q3.3 Q4.3 Q5.3 Q6.3 Q7.3 Q8.3 Q9.3 Q10.3 Q11.3 Q12.3 Q13.3 Q14.3 Q15.3 Q16.3 R79.2 R81.2 R82.2 R84.2 R87.2 R88.2 R90.2 R91.2 R92.2 R94.2 R96.2 R98.2 REF**#2.2 REF**#3.1 REF**#7.2 REF**#8.2 REF**#12.2 REF**#13.2 SW1.C SW1.S2 SW2.3 SW3.3 SW4.3 SW5.3 U1.3 U1.5 U2.3 U2.5 U3.3 U3.5 U4.6 U4.9 U4.14 U4.20 U4.25 U4.30 U4.34 U4.39 U5.1 U5.2 U5.3 U5.8 U6.4 U7.4 U8.4 U9.4 U10.4 U11.4 U12.4 U13.4 U14.4 U15.4 U16.4 U17.4 U18.4 U19.4 U20.4 U21.4 U22.2 U22.3 U22.8 U23.4 U24.4 U25.4 U26.4 U27.4 U28.4 U29.4 U30.4 U31.1 U31.3 U31.8 U32.3 U32.8 U33.1 U33.2 U33.8 U34.2 U34.8 U35.2 U36.1 U36.3 U37.3 U38.1 U38.2 U38.3 U39.1 U39.2 U39.3 U40.1 U40.2 U40.3 U41.1 U41.2 U41.3 U42.1 U42.2 U42.3 U43.1 U43.2 U43.3 U44.1 U44.8
GND2: J6.1 J6.3 J6.5 J6.7 J6.9 J6.11 J6.13 J6.15 J7.1 J7.3 J7.5 J7.7 J7.9 J7.11 J7.13 J7.15 J8.1
3_3V_Power1: C6.1 C10.1 C11.1 C12.1 C13.1 C14.1 C15.1 C16.2 C34.1 C37.1 L1.2 R3.1 R5.1 R6.1 R71.1 R72.1 R73.1 R74.1 R75.1 R99.1 R100.1 R117.1 R118.1 R120.1 R122.2 R123.1 R124.1 R125.1 R126.2 R127.2 R128.2 R129.2 R130.2 REF**#7.1 REF**#8.1 U2.4 U5.16 U22.1 U22.16 U31.2 U31.16 U32.1 U32.2 U32.16 U33.3 U33.16 U34.1 U34.3 U34.16 U35.3 U35.6 U44.2 U44.3 U44.16
4_20IN_0: J11.1 U38.4
4_20IN_1: J12.1 U39.4
4_20IN_2: J13.1 U40.4
4_20IN_3: J14.1 U41.4
4_20IN_4: J15.1 U42.4
4_20IN_5: J16.1 U43.4
/Analog_Input_ADS1115/3_3V_SCL: J17.2 J18.1 R6.2 U4.5 U5.14 U22.14 U31.14 U32.14 U33.14 U34.14 U35.5 U44.14
/Analog_Input_ADS1115/3_3V_SDA: J17.1 J19.1 R5.2 U4.3 U5.15 U22.15 U31.15 U32.15 U33.15 U34.15 U35.4 U44.15
/Analog_Input_ADS1115/4-20IN_0: C22.2 R79.1 U36.7 U38.5
/Analog_Input_ADS1115/4-20IN_1: C25.2 R82.1 U36.6 U39.5
/Analog_Input_ADS1115/4-20IN_2: C27.2 R84.1 U36.5 U40.5
/Analog_Input_ADS1115/4-20IN_3: C29.2 R88.1 U36.4 U41.5
/Analog_Input_ADS1115/4-20IN_4: C31.2 R90.1 U37.6 U42.5
/Analog_Input_ADS1115/4-20IN_5: C33.2 R92.1 U37.7 U43.5
/Analog_Input_ADS1115/4_20_circuit_protection_/SGOOD_4_20IN_0: R80.2 R81.1 U44.4
/Analog_Input_ADS1115/4_20_circuit_protection_/SGOOD_4_20IN_1: R83.2 R87.1 U44.5
/Analog_Input_ADS1115/4_20_circuit_protection_/SGOOD_4_20IN_2: R89.2 R91.1 U44.6
/Analog_Input_ADS1115/4_20_circuit_protection_/SGOOD_4_20IN_3: R97.2 R98.1 U44.7
/Analog_Input_ADS1115/4_20_circuit_protection_/SGOOD_4_20IN_4: R95.2 R96.1 U44.9
/Analog_Input_ADS1115/4_20_circuit_protection_/SGOOD_4_20IN_5: R93.2 R94.1 U44.10
/Analog_Input_ADS1115/INT_0x26: R130.1 U4.13 U44.13
/Digital_IO_PCF8574/PCF8574_7BIT_20_DIn0-7/INT_0x20: R126.1 U5.13 U34.4
/Digital_IO_PCF8574/PCF8574_7BIT_21_DIn8-15/INT_0x21: R127.1 U22.13 U34.5
/Digital_IO_PCF8574/PCF8574_7BIT_22_DIn16-23/INT_0x22: R128.1 U31.13 U34.6
/Digital_IO_PCF8574/PCF8574_7BIT_23_DOut_0-7/P0_DOut0: Q1.2 R55.2 U32.4
/Digital_IO_PCF8574/PCF8574_7BIT_23_DOut_0-7/P1_DOut1: Q2.2 R56.2 U32.5
/Digital_IO_PCF8574/PCF8574_7BIT_23_DOut_0-7/P2_DOut2: Q3.2 R57.2 U32.6
/Digital_IO_PCF8574/PCF8574_7BIT_23_DOut_0-7/P3_DOut3: Q4.2 R58.2 U32.7
/Digital_IO_PCF8574/PCF8574_7BIT_23_DOut_0-7/P4_DOut4: Q5.2 R59.2 U32.9
/Digital_IO_PCF8574/PCF8574_7BIT_23_DOut_0-7/P5_DOut5: Q6.2 R60.2 U32.10
/Digital_IO_PCF8574/PCF8574_7BIT_23_DOut_0-7/P6_DOut6: Q7.2 R61.2 U32.11
/Digital_IO_PCF8574/PCF8574_7BIT_23_DOut_0-7/P7_DOut7: Q8.2 R62.2 U32.12
/Digital_IO_PCF8574/PCF8574_7BIT_24_DOut_8-15/P0_DOut8: Q9.2 R63.2 U33.4
/Digital_IO_PCF8574/PCF8574_7BIT_24_DOut_8-15/P1_DOut9: Q10.2 R64.2 U33.5
/Digital_IO_PCF8574/PCF8574_7BIT_24_DOut_8-15/P2_DOut10: Q11.2 R65.2 U33.6
/Digital_IO_PCF8574/PCF8574_7BIT_24_DOut_8-15/P3_DOut11: Q12.2 R66.2 U33.7
/Digital_IO_PCF8574/PCF8574_7BIT_24_DOut_8-15/P4_DOut12: Q15.2 R69.2 U33.9
/Digital_IO_PCF8574/PCF8574_7BIT_24_DOut_8-15/P5_DOut13: Q16.2 R70.2 U33.10
/Digital_IO_PCF8574/PCF8574_7BIT_24_DOut_8-15/P6_DOut14: Q13.2 R67.2 U33.11
/Digital_IO_PCF8574/PCF8574_7BIT_24_DOut_8-15/P7_DOut15: Q14.2 R68.2 U33.12
/GUI_inputs/Button_1: C41.1 R123.2 SW2.2 U4.16
/GUI_inputs/Button_2: C42.1 R117.2 SW3.2 U4.18
/GUI_inputs/Button_3: C43.1 R124.2 SW4.2 U4.22
/GUI_inputs/Button_4: C44.1 R125.2 SW5.2 U4.24
/GUI_inputs/SW_encoder_A: C39.2 R119.2 U4.26
/GUI_inputs/SW_encoder_B: C40.2 R121.1 U4.28
/GUI_inputs/SW_encoder_PUSH: C38.1 R122.1 SW1.S1 U4.36
/INT_0x25: R129.1 U4.7 U34.13
/SPI_CLK: J25.1 U4.23
/SPI_CS1: J25.5 U4.29
/SPI_CS2: J25.4 U4.31
/SPI_MISO: J25.2 U4.21
/SPI_MOSI: J25.3 U4.19
A_Voltage_In_0: J9.2 R85.1
A_Voltage_In_1: J10.2 R86.1
D_Out0: J6.16 K2.1
D_Out1: J6.14 K1.1
D_Out2: J6.12 K3.1
D_Out3: J6.10 K4.1
D_Out4: J6.8 K5.1
D_Out5: J6.6 K6.1
D_Out6: J6.4 K7.1
D_Out7: J6.2 K8.1
D_Out8: J7.16 K9.1
D_Out9: J7.14 K10.1
D_Out10: J7.12 K11.1
D_Out11: J7.10 K12.1
D_Out12: J7.8 K13.1
D_Out13: J7.6 K14.1
D_Out14: J7.4 K15.1
D_Out15: J7.2 K16.1
Digital_In_0: J3.23 U9.2
Digital_In_1: J3.20 U6.2
Digital_In_2: J3.17 U7.2
Digital_In_3: J3.14 U8.2
Digital_In_4: J3.11 U10.2
Digital_In_5: J3.8 U11.2
Digital_In_6: J3.5 U12.2
Digital_In_7: J3.2 U13.2
Digital_In_8: J4.23 U14.2
Digital_In_9: J4.20 U15.2
Digital_In_10: J4.17 U16.2
Digital_In_11: J4.14 U17.2
Digital_In_12: J4.11 U18.2
Digital_In_13: J4.8 U19.2
Digital_In_14: J4.5 U20.2
Digital_In_15: J4.2 U21.2
Digital_In_16: J5.23 U23.2
Digital_In_17: J5.20 U24.2
Digital_In_18: J5.17 U25.2
Digital_In_19: J5.14 U26.2
Digital_In_20: J5.11 U27.2
Digital_In_21: J5.8 U28.2
Digital_In_22: J5.5 U29.2
Digital_In_23: J5.2 U30.2
R_Power_ext: J8.2 K1.3 K1.4 K2.3 K2.4 K3.3 K3.4 K4.3 K4.4 K5.3 K5.4 K6.3 K6.4 K7.3 K7.4 K8.3 K8.4 K9.3 K9.4 K10.3 K10.4 K11.3 K11.4 K12.3 K12.4 K13.3 K13.4 K14.3 K14.4 K15.3 K15.4 K16.3 K16.4
Net-(D1-A): D1.2 R1.2
Net-(D2-K): D2.1 L1.1 U2.2
Net-(D3-K): D3.1 L2.1 U1.2
Net-(D4-A): D4.2 R2.2
Net-(D5-A): D5.2 R3.2
Net-(D6-K): D6.1 L3.1 U3.2
Net-(D7-A): D7.2 R4.2
Net-(D8-A): D8.2 R7.2
Net-(D8-K): D8.1 R8.2 U7.1
Net-(D9-A): D9.2 R9.2
Net-(D9-K): D9.1 R10.2 U8.1
Net-(D10-A): D10.2 R11.2
Net-(D10-K): D10.1 R12.2 U10.1
Net-(D11-A): D11.2 R13.2
Net-(D11-K): D11.1 R14.2 U9.1
Net-(D12-A): D12.2 R15.2
Net-(D12-K): D12.1 R16.2 U6.1
Net-(D13-A): D13.2 R17.2
Net-(D13-K): D13.1 R18.2 U11.1
Net-(D14-A): D14.2 R19.2
Net-(D14-K): D14.1 R20.2 U12.1
Net-(D15-A): D15.2 R21.2
Net-(D15-K): D15.1 R22.2 U13.1
Net-(D16-A): D16.2 R23.2
Net-(D16-K): D16.1 R29.2 U14.1
Net-(D17-A): D17.2 R24.2
Net-(D17-K): D17.1 R30.2 U15.1
Net-(D18-A): D18.2 R25.2
Net-(D18-K): D18.1 R31.2 U16.1
Net-(D19-A): D19.2 R26.2
Net-(D19-K): D19.1 R32.2 U17.1
Net-(D20-A): D20.2 R27.2
Net-(D20-K): D20.1 R33.2 U18.1
Net-(D21-A): D21.2 R28.2
Net-(D21-K): D21.1 R34.2 U19.1
Net-(D22-A): D22.2 R35.2
Net-(D22-K): D22.1 R37.2 U20.1
Net-(D23-A): D23.2 R36.2
Net-(D23-K): D23.1 R38.2 U21.1
Net-(D24-A): D24.2 R39.2
Net-(D24-K): D24.1 R45.2 U23.1
Net-(D25-A): D25.2 R40.2
Net-(D25-K): D25.1 R46.2 U24.1
Net-(D26-A): D26.2 R41.2
Net-(D26-K): D26.1 R47.2 U25.1
Net-(D27-A): D27.2 R42.2
Net-(D27-K): D27.1 R48.2 U26.1
Net-(D28-A): D28.2 R43.2
Net-(D28-K): D28.1 R49.2 U27.1
Net-(D29-A): D29.2 R44.2
Net-(D29-K): D29.1 R50.2 U28.1
Net-(D30-A): D30.2 R51.2
Net-(D30-K): D30.1 R53.2 U29.1
Net-(D31-A): D31.2 R52.2
Net-(D31-K): D31.1 R54.2 U30.1
Net-(D32-A): D32.2 D55.1 K2.5 Q1.1
Net-(D33-A): D33.2 D58.1 K1.5 Q2.1
Net-(D34-A): D34.2 D59.1 K3.5 Q3.1
Net-(D35-A): D35.2 D62.1 K4.5 Q4.1
Net-(D36-A): D36.2 D56.1 K5.5 Q5.1
Net-(D37-A): D37.2 D57.1 K6.5 Q6.1
Net-(D38-A): D38.2 D60.1 K7.5 Q7.1
Net-(D39-A): D39.2 D61.1 K8.5 Q8.1
Net-(D40-A): D40.2 D63.1 K9.5 Q9.1
Net-(D41-A): D41.2 D66.1 K10.5 Q10.1
Net-(D42-A): D42.2 D67.1 K11.5 Q11.1
